# Altium PCB TestMod_SEAx.PcbDoc (part 1 of 3) (continued)
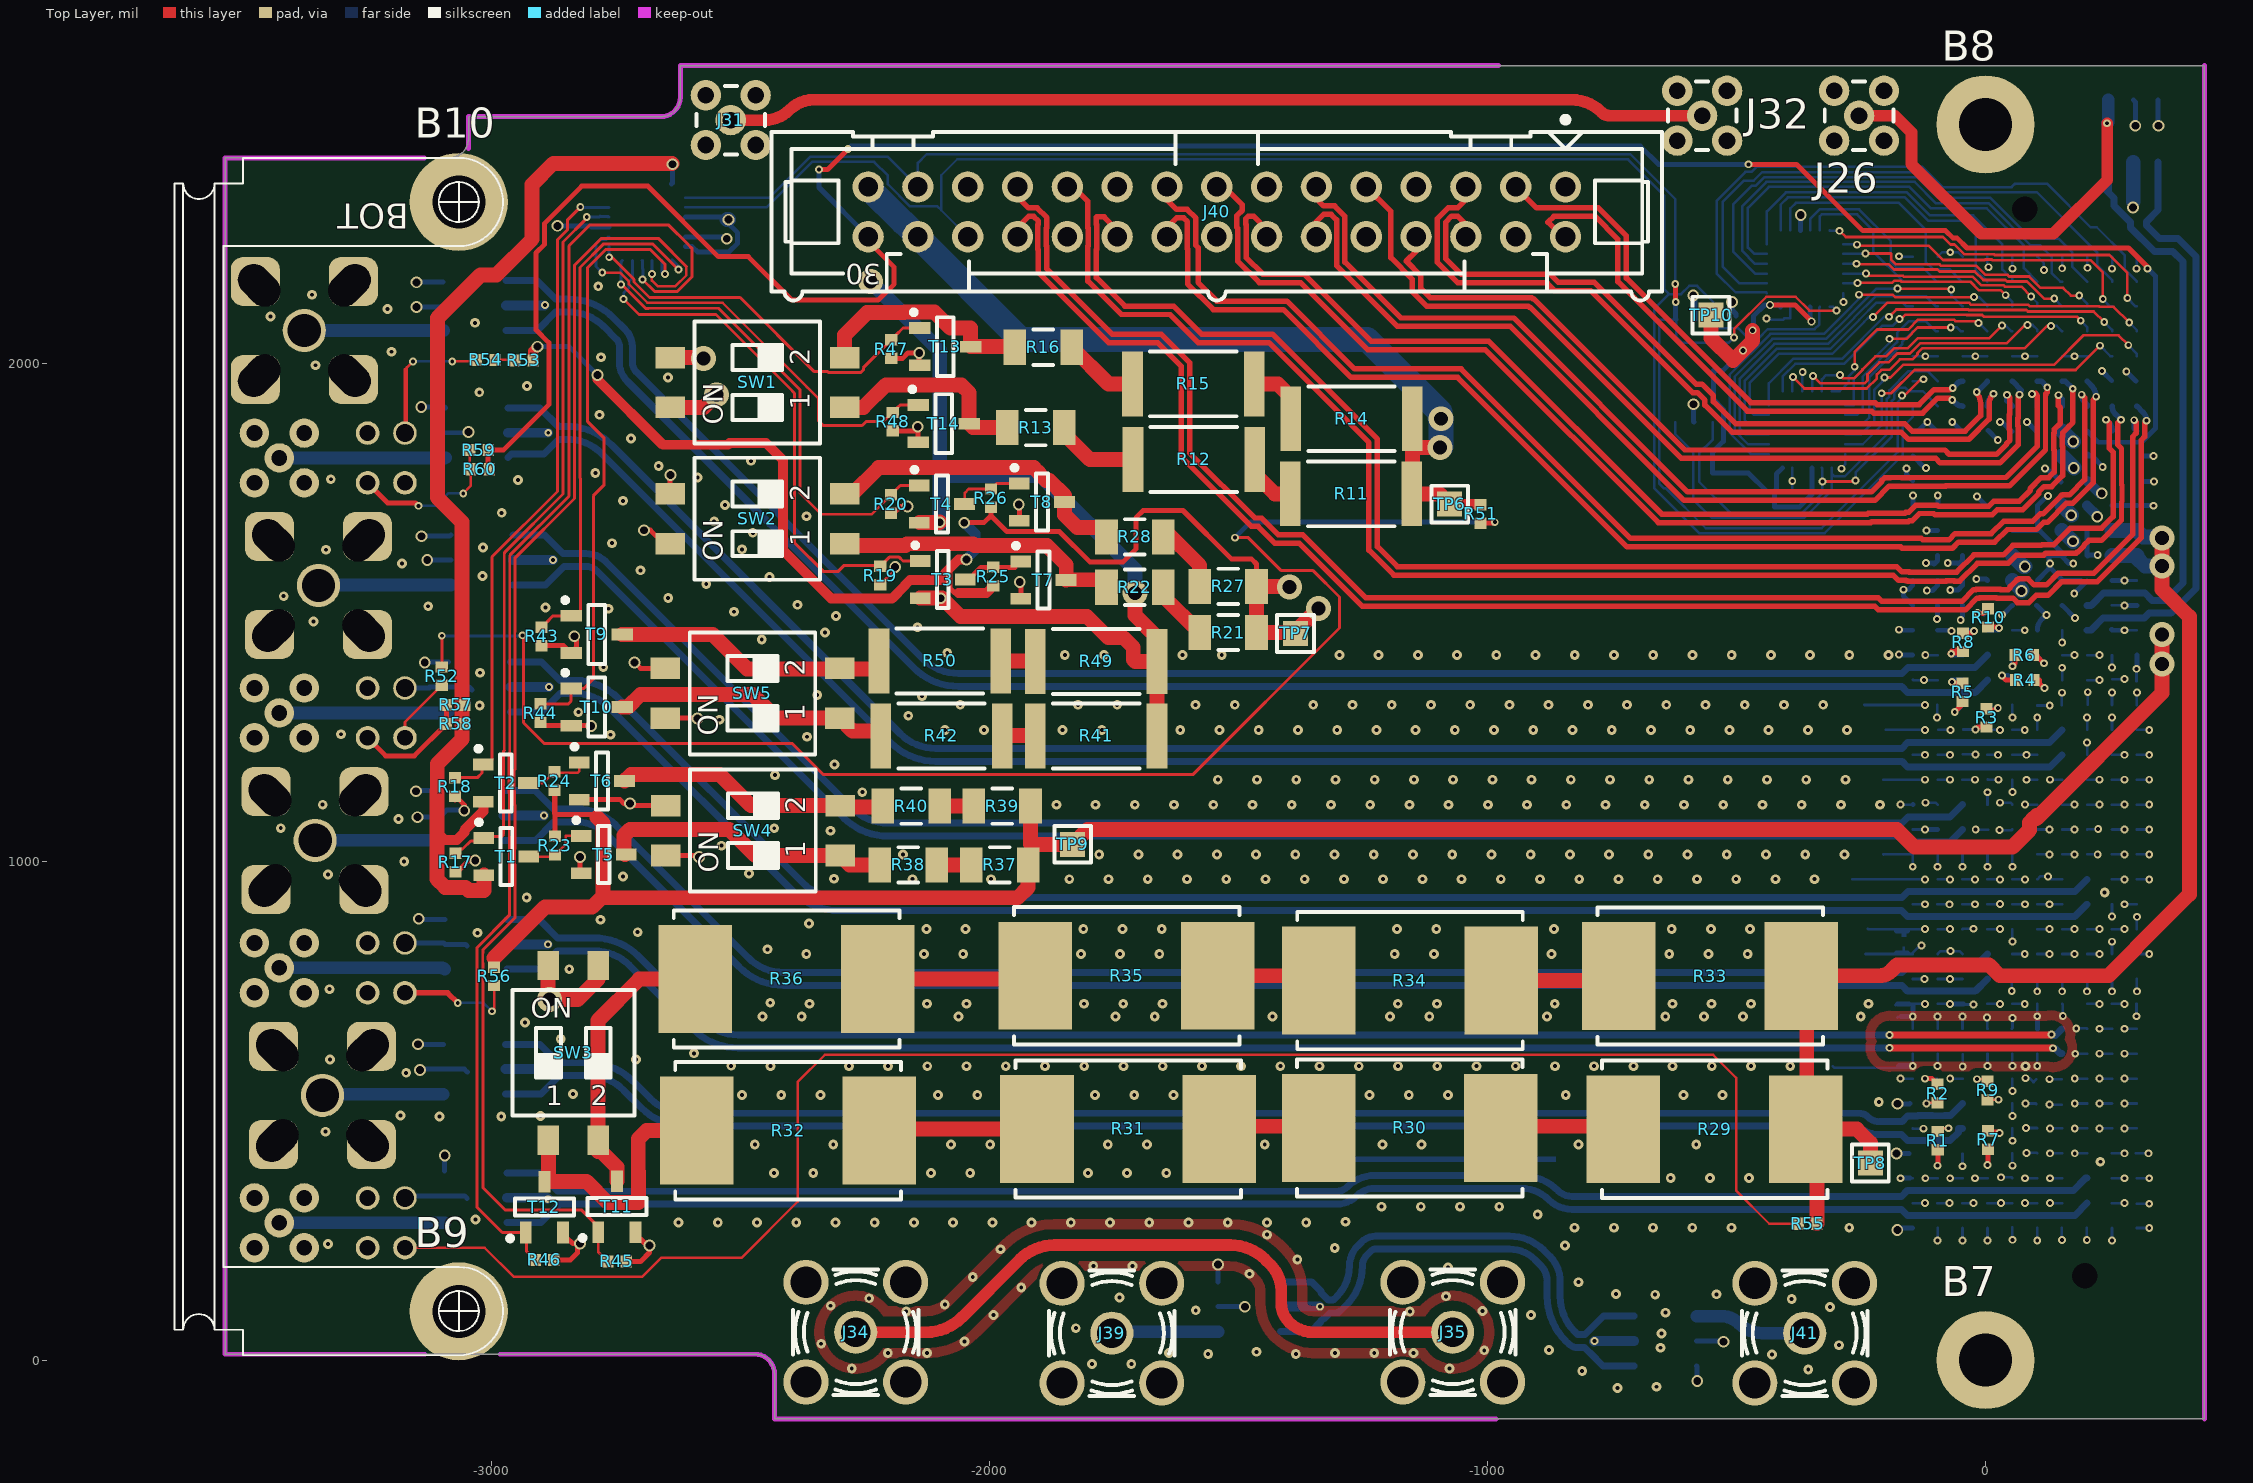
[diagram p0: Top Layer view]
## Classes and differential pairs
net class HPWR: N6V0A N12V0A P3V3 P6V0A P12V0A
net class Z50R: ADC0 ADC1 ADC2 ADC3 DAC0 DAC1 DAC2 DAC3 NetJ26_1 NetJ31_1 NetJ34_1 NetJ39_1 NetJ41_1
component class U_SEAx_connector: B7 B8 B9 B10 C4 C5 C6 C7 C8 C9 C10 C11 C12 C13 C14 C15 C16 C17 C18 C19 C20 C21 J22 R1 R2 R3 R4 R5 R6 R7 R8 R9 R10 R? TR1 TR2 TR3 TR4 TR5 TR6 TR7 TR8 TR11
component class TestMod_SEAx: C23 C24 C25 C44 C45 C46 C47 IC1 IC2 IC3 IC4 IC5 J26 J27 J28 J29 J30 J31 J32 J33 J34 J35 J36 J37 J38 J39 J40 J41 LD1 LD2 LD3 LD4 LD5 LD6 LD7 LD8 R11 R12 R13 R14 R15 R16 R17 R18 R19 R20 R21 R22 R23 R24 R25 R26 R27 R28 R29 R30 R31 R32 R33 R34 R35 R36 R37 R38 R39 R40 R41 R42 R43 R44 R45 R46 R47 R48 R49 R50 R51 R52 R53 R54 R55 R56 R57 R58 R59 R60 R? SW1 SW2 SW3 SW4 SW5 T1 T2 T3 T4 T5 T6 T7 T8 T9 T10 T11 T12 T13 T14 TP6 TP7 TP8 TP9 TP10 TR21 TR22
differential pair DAC3_OUT: +DAC3_OUT_P -DAC3_OUT_N
differential pair ADC3_IN: +ADC3_IN_P -ADC3_IN_N
differential pair DAC0_OUT: +DAC0_OUT_P -DAC0_OUT_N
differential pair ADC0_IN: +ADC0_IN_P -ADC0_IN_N
differential pair LO_IN: +LO_IN_P -LO_IN_N
differential pair LVDS7: +LVDS7_P -LVDS7_N
differential pair LVDS6: +LVDS6_P -LVDS6_N
differential pair LVDS5: +LVDS5_P -LVDS5_N
differential pair LVDS4: +LVDS4_P -LVDS4_N
differential pair LVDS3: +LVDS3_P -LVDS3_N
differential pair LVDS2: +LVDS2_P -LVDS2_N
differential pair LVDS1: +LVDS1_P -LVDS1_N
differential pair LVDS0: +LVDS0_P -LVDS0_N
differential pair TEST_SMA: +TEST_SMA_P -TEST_SMA_N
differential pair DAC3_OUT: +DAC2_OUT_P -DAC2_OUT_N
differential pair DAC2_OUT: +DAC1_OUT_P -DAC1_OUT_N
differential pair ADC3_IN: +ADC2_IN_P -ADC2_IN_N
differential pair ADC2_IN: +ADC1_IN_P -ADC1_IN_N

## Components (designator, comment, footprint, x,y, rotation, side; value= is the part's Value field where it differs from the comment)
B7 "Plated Hole" MTG270_500 0,0 r0 top
B8 "Plated Hole" MTG270_500 0,2480.31 r0 top
B9 "Plated Hole" MTG270_500 -3064.96,98 r0 top
B10 "Plated Hole" MTG270_500 -3064.96,2324.8 r0 top
C4 "0.5pF" CAPC1005X50N -2911,362.32 r270 bottom
C5 "0.5pF" CAPC1005X50N -2911,294 r90 bottom
C6 "0.5pF" CAPC1005X50N -2910,869 r270 bottom
C7 "0.5pF" CAPC1005X50N -2910,801 r90 bottom
C8 "0.5pF" CAPC1005X50N -2905,1385 r270 bottom
C9 "0.5pF" CAPC1005X50N -2905,1317 r90 bottom
C10 "0.5pF" CAPC1005X50N -2909,1896 r270 bottom
C11 "0.5pF" CAPC1005X50N -2910,1828 r90 bottom
C12 "0.5pF" CAPC1005X50N -2915,618 r270 bottom
C13 "0.5pF" CAPC1005X50N -2915,550 r90 bottom
C14 "0.5pF" CAPC1005X50N -2918,1127 r270 bottom
C15 "0.5pF" CAPC1005X50N -2918,1059 r90 bottom
C16 "0.5pF" CAPC1005X50N -2898,1639 r270 bottom
C17 "0.5pF" CAPC1005X50N -2898,1571 r90 bottom
C18 "0.5pF" CAPC1005X50N -2914,2151 r270 bottom
C19 "0.5pF" CAPC1005X50N -2914,2082.68 r90 bottom
C20 "0.5pF" CAPC1005X50N 330,2348 r180 bottom
C21 "0.5pF" CAPC1005X50N 262,2348 r0 bottom
C23 "0.5pF" CAPC1005X50N -761,4 r90 bottom
C24 "0.5pF" CAPC1005X50N -1360,74 r90 bottom
C25 "0.5pF" CAPC1005X50N -1360,142 r270 bottom
C44 "0.5pF" CAPC1005X50N -761,72 r270 bottom
C45 "100nF" CAPC1005X55N -483.27,2096.46 r0 bottom
C46 "100nF" CAPC1005X55N -406.5,1744.09 r180 bottom
C47 "100nF" CAPC1005X55N -2563.98,2272.64 r90 bottom
IC1 "24AA02E48T-I/OT" SOT95P280X145-5N -583.66,2037.4 r270 bottom
IC2 "TCA9539RTWR" QFN50P400X400X80-25N-S255 -2687.01,2284.45 r90 bottom
IC3 "TCA9539RTWR" QFN50P400X400X80-25N-S255 -358.27,1868.11 r0 bottom
IC4 "TCA9539RTWR" QFN50P400X400X80-25N-S255 -362.2,2190.94 r0 bottom
IC5 "24AA02E48T-I/OT" SOT95P280X145-5N -585.63,1831.69 r270 bottom
J22 "VITA 57" SAMTEC_ASP-134486-01 78.74,1240.16 r270 bottom locked
J26 "Coax_1Female_1Shield" SAMTEC_MMCX-J-P-H-ST-TH1 -254,2498.03 r0 top
J27 "SMA" "AMPHENOL_901-143_IN BOARD" -3338.58,531.5 r0 bottom
J28 "SMA" "AMPHENOL_901-143_IN BOARD" -3353.38,1043.31 r0 bottom
J29 "SMA" "AMPHENOL_901-143_IN BOARD" -3346.46,1555.12 r0 bottom
J30 "SMA" "AMPHENOL_901-143_IN BOARD" -3375.03,2066.93 r0 bottom
J31 "Coax_1Female_1Shield" SAMTEC_MMCX-J-P-H-ST-TH1 -2519,2489.17 r0 top
J32 "Coax_1Female_1Shield" SAMTEC_MMCX-J-P-H-ST-TH1 -569,2498.03 r0 top
J33 "Coax_1Female_1Shield" HUBER-SUHNER_85_MMCX-50-0-1/111_OE -3425.2,275.59 r180 bottom
J34 "SMA" TYCO_5-1814832-1 -2268,56.1 r0 top
J35 "SMA" TYCO_5-1814832-1 -1069.88,56.1 r0 top
J36 "Coax_1Female_1Shield" HUBER-SUHNER_85_MMCX-50-0-1/111_OE -3425.2,787.4 r180 bottom
J37 "Coax_1Female_1Shield" HUBER-SUHNER_85_MMCX-50-0-1/111_OE -3425.2,1299.21 r180 bottom
J38 "Coax_1Female_1Shield" HUBER-SUHNER_85_MMCX-50-0-1/111_OE -3425.2,1811.02 r180 bottom
J39 "SMA" TYCO_5-1814832-1 -1753.94,54.13 r0 top
J40 "=Familly" 3M_N2530-6002RB -1543.31,2305.12 r180 top
J41 "SMA" TYCO_5-1814832-1 -363.19,54.13 r0 top
LD1 "Green" LED_KINGBRIGHT_L-13GD -3248.03,1811.02 r0 bottom
LD2 "Red" LED_KINGBRIGHT_L-13ID -3248.03,1811.02 r0 bottom
LD3 "Red" LED_KINGBRIGHT_L-13ID -3248.03,275.59 r0 bottom
LD4 "Red" LED_KINGBRIGHT_L-13ID -3248.03,1299.21 r0 bottom
LD5 "Red" LED_KINGBRIGHT_L-13ID -3248.03,787.4 r0 bottom
LD6 "Green" LED_KINGBRIGHT_L-13GD -3248.03,275.59 r0 bottom
LD7 "Green" LED_KINGBRIGHT_L-13GD -3248.03,1299.21 r0 bottom
LD8 "Green" LED_KINGBRIGHT_L-13GD -3248.03,787.4 r0 bottom
R1 "49R9" RESC1005X40N -96,440.56 r90 top
R2 "49R9" RESC1005X40N -96.26,535 r270 top
R3 "49R9" RESC1005X40N 1.97,1289.37 r90 top
R4 "49R9" RESC1005X40N 78.74,1365.16 r180 top
R5 "49R9" RESC1005X40N -46.26,1340.55 r90 top
R6 "49R9" RESC1005X40N 77.76,1415.35 r180 top
R7 "49R9" RESC1005X40N 4.92,441.93 r90 top
R8 "49R9" RESC1005X40N -45.28,1440.94 r270 top
R9 "49R9" RESC1005X40N 3.94,541.34 r270 top
R10 "49R9" RESC1005X40N 4.92,1490.16 r270 top
R11 "56" RESC6331X70N -1273.62,1738.98 r180 top
R12 "56" RESC6331X70N -1589.57,1808.07 r180 top
R13 "8R2" RESC3216X65N -1906.5,1872.05 r180 top
R14 "56" RESC6331X70N -1272.64,1889.76 r180 top
R15 "56" RESC6331X70N -1590.55,1959.65 r180 top
R16 "8R2" RESC3216X65N -1891.73,2033.46 r180 top
R17 "10k" RESC1005X40N -3071.85,999.01 r270 top
R18 "10k" RESC1005X40N -3072.84,1150.59 r270 top
R19 "10k" RESC1005X40N -2219,1575 r270 top
R20 "10k" RESC1005X40N -2197.44,1718.5 r270 top
R21 "120" RESC3216X65N -1520.67,1460.63 r180 top
R22 "120" RESC3216X65N -1707.68,1551.39 r180 top
R23 "10k" RESC1005X40N -2872.05,1033 r90 top
R24 "10k" RESC1005X40N -2872.83,1162.4 r270 top
R25 "10k" RESC1005X40N -1992.13,1572.83 r270 top
R26 "10k" RESC1005X40N -1996.65,1730.31 r270 top
R27 "120" RESC3216X65N -1520.67,1553.15 r180 top
R28 "120" RESC3216X65N -1707.68,1652.56 r180 top
R29 "2" RESM11670X449N -544,463.58 r180 top
R30 "2" RESM11670X449N -1156,466 r180 top
R31 "2" RESM11670X449N -1721.17,464 r180 top
R32 "2" RESM11670X449N -2404,460.63 r180 top
R33 "2" RESM11670X449N -553,771 r180 top
R34 "2" RESM11670X449N -1155.51,761.81 r180 top
R35 "2" RESM11670X449N -1724.41,771.65 r180 top
R36 "2" RESM11670X449N -2407,765.21 r180 top
R37 "62" RESC3216X65N -1979.3,994.1 r180 top
R38 "62" RESC3216X65N -2162.4,994.09 r180 top
R39 "62" RESC3216X65N -1974.41,1112.2 r180 top
R40 "62" RESC3216X65N -2156.5,1112.2 r180 top
R41 "3R3" RESC6331X70N -1785.43,1252.95 r180 top
R42 "3R3" RESC6331X70N -2096,1252.95 r180 top
R43 "10k" RESC1005X40N -2898.62,1452.77 r270 top
R44 "10k" RESC1005X40N -2901,1299 r270 top
R45 "10k" RESC1005X40N -2747.58,198.08 r0 top
R46 "10k" RESC1005X40N -2893.05,201.03 r0 top
R47 "10k" RESC1005X40N -2196.85,2029.53 r270 top
R48 "10k" RESC1005X40N -2193.9,1883.86 r270 top
R49 "3R3" RESC6331X70N -1785.43,1402.56 r180 top
R50 "3R3" RESC6331X70N -2099.41,1403.54 r180 top
R51 "10k" RESC1005X40N -1013.78,1698.82 r270 top
R52 "10k" RESC1005X40N -3099,1373 r270 top
R53 "10k" RESC1005X40N -2934.06,2006.89 r180 top
R54 "10k" RESC1005X40N -3010.83,2007.87 r0 top
R55 "10k" RESC1005X40N -357.28,273.82 r0 top
R56 "10k" RESC1005X40N -2994.09,770.47 r90 top
R57 "10k" RESC1005X40N -3071.53,1315.43 r0 top
R58 "10k" RESC1005X40N -3071.53,1277.05 r0 top
R59 "10k" RESC1005X40N -3024.61,1826.77 r0 top
R60 "10k" RESC1005X40N -3022.64,1788.39 r0 top
SW1 "Switch" SW_OMRON_A6S-2102-H -2465.55,1962.6 r180 top
SW2 "Switch" SW_OMRON_A6S-2102-H -2465.55,1688.98 r180 top
SW3 "Switch" SW_OMRON_A6S-2102-H -2835,617 r90 top
SW4 "Switch" SW_OMRON_A6S-2102-H -2474.41,1062.99 r180 top
SW5 "Switch" SW_OMRON_A6S-2102-H -2475.39,1338.58 r180 top
T1 "IRLML6402PBF" SOT95P237X112-3N -2969.49,1010.83 r0 top
T2 "IRLML6402PBF" SOT95P237X112-3N -2970.47,1158.46 r0 top
T3 "IRLML6402PBF" SOT95P237X112-3N -2093.5,1566.93 r0 top
T4 "IRLML6402PBF" SOT95P237X112-3N -2095.08,1718.5 r0 top
T5 "IRLML6402PBF" SOT95P237X112-3N -2773.97,1015 r0 top
T6 "IRLML6402PBF" SOT95P237X112-3N -2777.56,1162.4 r0 top
T7 "IRLML6402PBF" SOT95P237X112-3N -1891.34,1565.94 r0 top
T8 "IRLML6402PBF" SOT95P237X112-3N -1894.29,1722.44 r0 top
T9 "DMN2020LSN-7" SOT95P285X140-3N -2788.39,1456.71 r0 top
T10 "DMN2020LSN-7" SOT95P285X140-3N -2788.39,1311.04 r0 top
T11 "DMN2020LSN-7" SOT95P285X140-3N -2747.58,308.32 r90 top
T12 "DMN2020LSN-7" SOT95P285X140-3N -2893.05,307.33 r90 top
T13 "DMN2020LSN-7" SOT95P285X140-3N -2088.58,2034.45 r0 top
T14 "DMN2020LSN-7" SOT95P285X140-3N -2091.54,1879.92 r0 top
TP6 "Test Point" TPS127 -1075.79,1718.5 r90 top
TP7 "Test Point" TPS127 -1385.26,1458.66 r90 top
TP8 "Test Point" TPS127 -231.3,395.67 r90 top
TP9 "Test Point" TPS127 -1832.68,1035.43 r90 top
TP10 "Test Point" TPS127 -551.18,2097.82 r90 top
TR1 "1:2" XFMR_MINI-CIRCUITS_DB1627 -3031,326 r270 bottom
TR2 "1:2" XFMR_MINI-CIRCUITS_DB1627 -3030.33,834.73 r270 bottom
TR3 "1:2" XFMR_MINI-CIRCUITS_DB1627 -3023.37,1351.27 r270 bottom
TR4 "1:2" XFMR_MINI-CIRCUITS_DB1627 -3029.07,1861.64 r270 bottom
TR5 "1:2" XFMR_MINI-CIRCUITS_DB1627 -3033.33,583.97 r270 bottom
TR6 "1:2" XFMR_MINI-CIRCUITS_DB1627 -3037.33,1093.45 r270 bottom
TR7 "1:2" XFMR_MINI-CIRCUITS_DB1627 -3018.33,1606.16 r270 bottom
TR8 "1:2" XFMR_MINI-CIRCUITS_DB1627 -3033,2117 r270 bottom
TR11 "1:2" XFMR_MINI-CIRCUITS_DB1627 296.41,2467.26 r180 bottom
TR21 "1:2" XFMR_MINI-CIRCUITS_DB1627 -1478.35,107.28 r270 bottom
TR22 "1:2" XFMR_MINI-CIRCUITS_DB1627 -642.72,38.39 r90 bottom

## Footprints (in the part's own frame and the unit in brackets; to place one, negate y for a bottom-side part, rotate by r counter-clockwise, add the part's x,y. Pads: shape width x height; smd on the part's side, far side on the other; paste and mask are expansions set on the pad)
3M_N2530-6002RB [mm] "30 Contacts - Straight .100\" x .100\" Low Profile Four-Wall Header"
  round 1.6 hole 1: 1(-17.78,-1.27) 2(-17.78,1.27) 3(-15.24,-1.27) 4(-15.24,1.27) 5(-12.7,-1.27) 6(-12.7,1.27) 7(-10.16,-1.27) 8(-10.16,1.27) 9(-7.62,-1.27) 10(-7.62,1.27) 11(-5.08,-1.27) 12(-5.08,1.27) 13(-2.54,-1.27) 14(-2.54,1.27) 15(0,-1.27) 16(0,1.27) 17(2.54,-1.27) 18(2.54,1.27) 19(5.08,-1.27) 20(5.08,1.27) 21(7.62,-1.27) 22(7.62,1.27) 23(10.16,-1.27) 24(10.16,1.27) 25(12.7,-1.27) 26(12.7,1.27) 27(15.24,-1.27) 28(15.24,1.27) 29(17.78,-1.27) 30(17.78,1.27)
  silkscreen extent -22.71,-4.85 22.71,4.52, body extent -22.71,-4.11 22.71,4.52, height 9.91
"AMPHENOL_901-143_IN BOARD" [mm] "50 Ohm Through Hole SMA 90 degrees PCB Jack - partially embedded"
  round 2.2 hole 1.7: 1(0,0)
  rrect50% 2.5x2.5 hole 1.6 slot 2.4 at 45 deg copper offset -0.2,-0.2: 2(-2.3,-2.3)
  rrect50% 2.5x2.5 hole 1.6 slot 2.4 at 135 deg copper offset -0.2,0.2: 2(-2.3,2.3)
  rrect50% 2.5x2.5 hole 1.6 slot 2.4 at 135 deg copper offset 0.2,-0.2: 2(2.3,-2.3)
  rrect50% 2.5x2.5 hole 1.6 slot 2.4 at 45 deg copper offset 0.2,0.2: 2(2.3,2.3)
  silkscreen extent -11.04,-4 3.5,4, body extent -13.68,-10.01 6.35,10.01, height 8.99
CAPC1005X50N [mm] "Chip Capacitor, Body 1.0x0.55mm, IPC Medium Density"
  rect 0.57x0.68 smd: 1(-0.49,0) 2(0.49,0)
  body extent -0.5,-0.27 0.5,0.28, height 0.5
CAPC1005X55N [mm] "Chip Capacitor, Body 1.0x0.55mm, IPC Medium Density"
  rect 0.62x0.62 smd: 1(-0.45,0) 2(0.45,0)
  body extent -0.52,-0.27 0.53,0.28, height 0.55
HUBER-SUHNER_85_MMCX-50-0-1/111_OE [mm] "MMCX 50 Ohm Right Angle PCB Jack"
  round 1.5 hole 0.8: 1(0,0) 2(-1.27,-1.27) 2(-1.27,1.27) 2(1.27,-1.27) 2(1.27,1.27)
  silkscreen extent -1.73,-1.74 4.82,1.74, body extent -1.73,-1.74 4.82,1.74, height 3.8
LED_KINGBRIGHT_L-13GD [mm] "Green 2mm LED, Pin spacing 2.54mm"
  round 1.2 hole 0.9: 1(1.905,-1.27)
  round 1.2 hole 0.8: 2(1.905,1.27)
  silkscreen extent -10,-2.4 2.3,2.4, body extent -10,-2.4 2.1,2.4, height 9.5
LED_KINGBRIGHT_L-13ID [mm] "Red 2mm LED, Pin spacing 2.54mm"
  round 1.2 hole 0.8: 1(0,-1.27) 2(0,1.27)
  silkscreen extent -10,-2.4 0.4,2.4, body extent -10,-2.4 0.2,2.4, height 7
MTG270_500 [mm] "Plated Through Hole: Hole Dia.=2.7mm Pad Dia.=5.0mm"
  round 5 hole 2.7: 1(0,0)
QFN50P400X400X80-25N-S255 [mm] "QFN, 0.50mm Pitch, Square; 6 Pin X 6 Pin, 4mm X 4mm Body (w/Thermal Tab 2.55 X 2.55 mm), IPC Medium Density"
  oval 0.9x0.3 smd: 1(-1.95,1.25) 2(-1.95,0.75) 3(-1.95,0.25) 4(-1.95,-0.25) 5(-1.95,-0.75) 6(-1.95,-1.25) 13(1.95,-1.25) 14(1.95,-0.75) 15(1.95,-0.25) 16(1.95,0.25) 17(1.95,0.75) 18(1.95,1.25)
  oval 0.3x0.9 smd: 7(-1.25,-1.95) 8(-0.75,-1.95) 9(-0.25,-1.95) 10(0.25,-1.95) 11(0.75,-1.95) 12(1.25,-1.95) 19(1.25,1.95) 20(0.75,1.95) 21(0.25,1.95) 22(-0.25,1.95) 23(-0.75,1.95) 24(-1.25,1.95)
  rect 2.55x2.55 smd: 25(0,0)
  silkscreen extent -3.12,-2 2,2, body extent -2.07,-2.07 2.08,2.08, height 0.8
RESC1005X40N [mm] "Chip Resistor, EIA 0402, Metric 1005, Body 1.0x0.5mm, IPC Medium Density"
  rect 0.58x0.62 smd: 1(-0.47,0) 2(0.47,0)
  body extent -0.52,-0.27 0.53,0.28, height 0.4
RESC3216X65N [mm] "Chip Resistor, EIA 1206, Metric 3216, Body 3.2x1.6mm, IPC Medium Density"
  rect 1.15x1.8 smd: 1(-1.45,0) 2(1.45,0)
  silkscreen extent -0.5,-0.9 0.5,0.9, body extent -1.67,-0.87 1.68,0.88, height 0.65
RESC6331X70N [mm] "Chip Resistor, EIA 2512, Metric 6331, 2-Leads, Body 6.3x3.1mm, IPC Medium Density"
  rect 1.05x3.3 smd: 1(-3.1,0) 2(3.1,0)
  silkscreen extent -2.2,-1.65 2.2,1.65, body extent -3.25,-1.65 3.25,1.65, height 0.7
RESM11670X449N [mm] "Resistor, Molded Body; 11.56mm L X 6.98mm W X 4.49mm H, IPC Medium Density"
  rect 3.75x5.5 smd: 1(-4.65,0) 2(4.65,0)
  silkscreen extent -5.75,-3.5 5.75,3.5, body extent -6.19,-3.55 6.19,3.55, height 4.49
SAMTEC_ASP-134486-01 [mm] "Connector VITA 57, 400 Female contacts in 10 row abcdefghj"
  round 0.5 hole 1.3 unplated mask+0.4: 1(-27.19,0) 2(27.19,-3.05)
  round 0.64 smd paste+0.125: a1(24.765,-5.715) a2(23.495,-5.715) a3(22.225,-5.715) a4(20.955,-5.715) a5(19.685,-5.715) a6(18.415,-5.715) a7(17.145,-5.715) a8(15.875,-5.715) a9(14.605,-5.715) a10(13.335,-5.715) a11(12.065,-5.715) a12(10.795,-5.715) a13(9.525,-5.715) a14(8.255,-5.715) a15(6.985,-5.715) a16(5.715,-5.715) a17(4.445,-5.715) a18(3.175,-5.715) a19(1.905,-5.715) a20(0.635,-5.715) a21(-0.635,-5.715) a22(-1.905,-5.715) a23(-3.175,-5.715) a24(-4.445,-5.715) a25(-5.715,-5.715) a26(-6.985,-5.715) a27(-8.255,-5.715) a28(-9.525,-5.715) a29(-10.795,-5.715) a30(-12.065,-5.715) a31(-13.335,-5.715) a32(-14.605,-5.715) a33(-15.875,-5.715) a34(-17.145,-5.715) a35(-18.415,-5.715) a36(-19.685,-5.715) a37(-20.955,-5.715) a38(-22.225,-5.715) a39(-23.495,-5.715) a40(-24.765,-5.715) b1(24.765,-4.445) b2(23.495,-4.445) b3(22.225,-4.445) b4(20.955,-4.445) b5(19.685,-4.445) b6(18.415,-4.445) b7(17.145,-4.445) b8(15.875,-4.445) b9(14.605,-4.445) b10(13.335,-4.445) b11(12.065,-4.445) b12(10.795,-4.445) b13(9.525,-4.445) b14(8.255,-4.445) b15(6.985,-4.445) b16(5.715,-4.445) b17(4.445,-4.445) b18(3.175,-4.445) b19(1.905,-4.445) b20(0.635,-4.445) b21(-0.635,-4.445) b22(-1.905,-4.445) b23(-3.175,-4.445) b24(-4.445,-4.445) b25(-5.715,-4.445) b26(-6.985,-4.445) b27(-8.255,-4.445) b28(-9.525,-4.445) b29(-10.795,-4.445) b30(-12.065,-4.445) b31(-13.335,-4.445) b32(-14.605,-4.445) b33(-15.875,-4.445) b34(-17.145,-4.445) b35(-18.415,-4.445) b36(-19.685,-4.445) b37(-20.955,-4.445) b38(-22.225,-4.445) b39(-23.495,-4.445) b40(-24.765,-4.445) c1(24.765,-3.175) c2(23.495,-3.175) c3(22.225,-3.175) c4(20.955,-3.175) c5(19.685,-3.175) c6(18.415,-3.175) c7(17.145,-3.175) c8(15.875,-3.175) c9(14.605,-3.175) c10(13.335,-3.175) c11(12.065,-3.175) c12(10.795,-3.175) c13(9.525,-3.175) c14(8.255,-3.175) c15(6.985,-3.175) c16(5.715,-3.175) c17(4.445,-3.175) c18(3.175,-3.175) c19(1.905,-3.175) c20(0.635,-3.175) c21(-0.635,-3.175) c22(-1.905,-3.175) c23(-3.175,-3.175) c24(-4.445,-3.175) c25(-5.715,-3.175) c26(-6.985,-3.175) c27(-8.255,-3.175) c28(-9.525,-3.175) c29(-10.795,-3.175) c30(-12.065,-3.175) c31(-13.335,-3.175) c32(-14.605,-3.175) c33(-15.875,-3.175) c34(-17.145,-3.175) c35(-18.415,-3.175) c36(-19.685,-3.175) c37(-20.955,-3.175) c38(-22.225,-3.175) c39(-23.495,-3.175) c40(-24.765,-3.175) d1(24.765,-1.905) d2(23.495,-1.905) d3(22.225,-1.905) d4(20.955,-1.905) d5(19.685,-1.905) d6(18.415,-1.905) d7(17.145,-1.905) d8(15.875,-1.905) d9(14.605,-1.905) d10(13.335,-1.905) d11(12.065,-1.905) d12(10.795,-1.905) d13(9.525,-1.905) d14(8.255,-1.905) d15(6.985,-1.905) d16(5.715,-1.905) d17(4.445,-1.905) d18(3.175,-1.905) d19(1.905,-1.905) d20(0.635,-1.905) d21(-0.635,-1.905) d22(-1.905,-1.905) d23(-3.175,-1.905) d24(-4.445,-1.905) d25(-5.715,-1.905) d26(-6.985,-1.905) d27(-8.255,-1.905) d28(-9.525,-1.905) d29(-10.795,-1.905) d30(-12.065,-1.905) d31(-13.335,-1.905) d32(-14.605,-1.905) d33(-15.875,-1.905) d34(-17.145,-1.905) d35(-18.415,-1.905) d36(-19.685,-1.905) d37(-20.955,-1.905) d38(-22.225,-1.905) d39(-23.495,-1.905) d40(-24.765,-1.905) e1(24.765,-0.635) e2(23.495,-0.635) e3(22.225,-0.635) e4(20.955,-0.635) e5(19.685,-0.635) e6(18.415,-0.635) e7(17.145,-0.635) e8(15.875,-0.635) e9(14.605,-0.635) e10(13.335,-0.635) e11(12.065,-0.635) e12(10.795,-0.635) e13(9.525,-0.635) e14(8.255,-0.635) e15(6.985,-0.635) e16(5.715,-0.635) e17(4.445,-0.635) e18(3.175,-0.635) e19(1.905,-0.635) e20(0.635,-0.635) e21(-0.635,-0.635) e22(-1.905,-0.635) e23(-3.175,-0.635) e24(-4.445,-0.635) e25(-5.715,-0.635) e26(-6.985,-0.635) e27(-8.255,-0.635) e28(-9.525,-0.635) e29(-10.795,-0.635) e30(-12.065,-0.635) e31(-13.335,-0.635) e32(-14.605,-0.635) e33(-15.875,-0.635) e34(-17.145,-0.635) e35(-18.415,-0.635) e36(-19.685,-0.635) e37(-20.955,-0.635) e38(-22.225,-0.635) e39(-23.495,-0.635) e40(-24.765,-0.635) f1(24.765,0.635) f2(23.495,0.635) f3(22.225,0.635) f4(20.955,0.635) f5(19.685,0.635) f6(18.415,0.635) f7(17.145,0.635) f8(15.875,0.635) f9(14.605,0.635) f10(13.335,0.635) f11(12.065,0.635) f12(10.795,0.635) f13(9.525,0.635) f14(8.255,0.635) f15(6.985,0.635) f16(5.715,0.635) f17(4.445,0.635) f18(3.175,0.635) f19(1.905,0.635) f20(0.635,0.635) f21(-0.635,0.635) f22(-1.905,0.635) f23(-3.175,0.635) f24(-4.445,0.635) f25(-5.715,0.635) f26(-6.985,0.635) f27(-8.255,0.635) f28(-9.525,0.635) f29(-10.795,0.635) f30(-12.065,0.635) f31(-13.335,0.635) f32(-14.605,0.635) f33(-15.875,0.635) f34(-17.145,0.635) f35(-18.415,0.635) f36(-19.685,0.635) f37(-20.955,0.635) f38(-22.225,0.635) f39(-23.495,0.635) f40(-24.765,0.635) g1(24.765,1.905) g2(23.495,1.905) g3(22.225,1.905) g4(20.955,1.905) g5(19.685,1.905) g6(18.415,1.905) g7(17.145,1.905) g8(15.875,1.905) g9(14.605,1.905) g10(13.335,1.905) g11(12.065,1.905) g12(10.795,1.905) g13(9.525,1.905) g14(8.255,1.905) g15(6.985,1.905) g16(5.715,1.905) g17(4.445,1.905) g18(3.175,1.905) g19(1.905,1.905) g20(0.635,1.905) g21(-0.635,1.905) g22(-1.905,1.905) g23(-3.175,1.905) g24(-4.445,1.905) g25(-5.715,1.905) g26(-6.985,1.905) g27(-8.255,1.905) g28(-9.525,1.905) g29(-10.795,1.905) g30(-12.065,1.905) g31(-13.335,1.905) g32(-14.605,1.905) g33(-15.875,1.905) g34(-17.145,1.905) g35(-18.415,1.905) g36(-19.685,1.905) g37(-20.955,1.905) g38(-22.225,1.905) g39(-23.495,1.905) g40(-24.765,1.905) h1(24.765,3.175) h2(23.495,3.175) h3(22.225,3.175) h4(20.955,3.175) h5(19.685,3.175) h6(18.415,3.175) h7(17.145,3.175) h8(15.875,3.175) h9(14.605,3.175) h10(13.335,3.175) h11(12.065,3.175) h12(10.795,3.175) h13(9.525,3.175) h14(8.255,3.175) h15(6.985,3.175) h16(5.715,3.175) h17(4.445,3.175) h18(3.175,3.175) h19(1.905,3.175) h20(0.635,3.175) h21(-0.635,3.175) h22(-1.905,3.175) h23(-3.175,3.175) h24(-4.445,3.175) h25(-5.715,3.175) h26(-6.985,3.175) h27(-8.255,3.175) h28(-9.525,3.175) h29(-10.795,3.175) h30(-12.065,3.175) h31(-13.335,3.175) h32(-14.605,3.175) h33(-15.875,3.175) h34(-17.145,3.175) h35(-18.415,3.175) h36(-19.685,3.175) h37(-20.955,3.175) h38(-22.225,3.175) h39(-23.495,3.175) h40(-24.765,3.175) j1(24.765,4.445) j2(23.495,4.445) j3(22.225,4.445) j4(20.955,4.445) j5(19.685,4.445) j6(18.415,4.445) j7(17.145,4.445) j8(15.875,4.445) j9(14.605,4.445) j10(13.335,4.445) j11(12.065,4.445) j12(10.795,4.445) j13(9.525,4.445) j14(8.255,4.445) j15(6.985,4.445) j16(5.715,4.445) j17(4.445,4.445) j18(3.175,4.445) j19(1.905,4.445) j20(0.635,4.445) j21(-0.635,4.445) j22(-1.905,4.445) j23(-3.175,4.445) j24(-4.445,4.445) j25(-5.715,4.445) j26(-6.985,4.445) j27(-8.255,4.445) j28(-9.525,4.445) j29(-10.795,4.445) j30(-12.065,4.445) j31(-13.335,4.445) j32(-14.605,4.445) j33(-15.875,4.445) j34(-17.145,4.445) j35(-18.415,4.445) j36(-19.685,4.445) j37(-20.955,4.445) j38(-22.225,4.445) j39(-23.495,4.445) j40(-24.765,4.445) k1(24.765,5.715) k2(23.495,5.715) k3(22.225,5.715) k4(20.955,5.715) k5(19.685,5.715) k6(18.415,5.715) k7(17.145,5.715) k8(15.875,5.715) k9(14.605,5.715) k10(13.335,5.715) k11(12.065,5.715) k12(10.795,5.715) k13(9.525,5.715) k14(8.255,5.715) k15(6.985,5.715) k16(5.715,5.715) k17(4.445,5.715) k18(3.175,5.715) k19(1.905,5.715) k20(0.635,5.715) k21(-0.635,5.715) k22(-1.905,5.715) k23(-3.175,5.715) k24(-4.445,5.715) k25(-5.715,5.715) k26(-6.985,5.715) k27(-8.255,5.715) k28(-9.525,5.715) k29(-10.795,5.715) k30(-12.065,5.715) k31(-13.335,5.715) k32(-14.605,5.715) k33(-15.875,5.715) k34(-17.145,5.715) k35(-18.415,5.715) k36(-19.685,5.715) k37(-20.955,5.715) k38(-22.225,5.715) k39(-23.495,5.715) k40(-24.765,5.715)
  silkscreen extent -28.73,-6.62 28.73,6.62, body extent -28.73,-6.62 28.73,6.62, height 6.55
SAMTEC_MMCX-J-P-H-ST-TH1 [mm] "Straight Through-hole 50 Ohm Micro Mini RF Jack, MMCX Serie"
  round 1.55 hole 0.85: 1(0,0) 2(-1.27,-1.27) 2(-1.27,1.27) 2(1.27,-1.27) 2(1.27,1.27)
  silkscreen extent -1.75,-1.75 1.75,1.75, body extent -1.75,-1.75 1.75,1.75, height 4.35
SOT95P237X112-3N [mm] "SOT, 0.95mm, pitch; 3 pin,1.30mm W X 2.92mm L X 1.12mm H body, IPC Medium Density"
  rect 1.05x0.6 smd: 1(-1.15,0.95) 2(-1.15,-0.95) 3(1.15,0)
  silkscreen extent -1.52,-1.45 0.3,1.87, body extent -1.25,-1.5 1.25,1.5, height 1.1
SOT95P280X145-5N [mm] "SOT, 0.95mm pitch; 5 pin, 1.60mm W X 2.90mm L X 1.45mm H body, IPC Medium Density"
  rect 1.1x0.6 smd: 1(-1.3,0.95) 2(-1.3,0) 3(-1.3,-0.95) 4(1.3,-0.95) 5(1.3,0.95)
  silkscreen extent -1.72,-1.45 0.43,1.87, body extent -1.4,-1.5 1.4,1.5, height 1.45
SOT95P285X140-3N [mm] "SOT23, 0.95mm Pitch; 3 Pin, 1.6mm W X 3mm L X 1.4mm H Body, IPC Medium Density"
  rect 1.1x0.6 smd: 1(-1.3,0.95) 2(-1.3,-0.95) 3(1.3,0)
  silkscreen extent -1.72,-1.5 0.43,1.87, body extent -1.4,-1.5 1.4,1.5, height 1.4
SW_OMRON_A6S-2102-H [mm] "Pitch 2.54mm, Body 6.2x6.4mm, 2 Ways SPST Surface-Mounting DIP Switch, OMRON A6S-H"
  rect 1.5x1.1 smd: 1(-4.45,1.27) 2(-4.45,-1.27) 3(4.45,-1.27) 4(4.45,1.27)
  silkscreen extent -3.2,-3.11 3.2,3.11, body extent -4.9,-3.01 4.9,3.01, height 3.97
TPS127 [mil] "1.27 x  1.27mm SMD Test Point Area"
  rect 50x50 smd paste-50: 1(0,0)
  silkscreen extent -37,-37 37,37
TYCO_5-1814832-1 [mm] "50 Ohm SMA Straight PCB Die Socket"
  round 2.2 hole 1.5: 1(0,0)
  round 2.3 hole 1.6: 2(-2.54,-2.54) 2(-2.54,2.54) 2(2.54,-2.54) 2(2.54,2.54)
  silkscreen extent -3.2,-3.2 3.2,3.2, body extent -3.2,-3.2 3.2,3.2, height 9.5
XFMR_MINI-CIRCUITS_DB1627 [mm] "MINI-CIRCUITS RF Transformer, Case DB1627 - Body 4.06X3.81mm"
  rect 0.76x1.65 smd: 1(-1.27,1.59) 2(0,1.59) 3(1.27,1.59) 4(1.27,-1.59) 5(0,-1.59) 6(-1.27,-1.59)
  silkscreen extent -2.3,-0.37 1.91,1.72, body extent -1.9,-2.03 1.91,2.03, height 4.06

## Part data
B7 B8 B9 B10: library part PLATED_HOLE2.7_PAD5.0, "Single Terminal Socket", Author="CERN DEM JMW", ComponentHeight=0mm, Component Type="Standard (No BOM)", CreateDate=27.09.2011, Family="Plated Hole", HelpURL=Undefined, LatestRevisionDate=27.09.2011, Mounted=No, PackageDescription="Plated Through Hole: Hole Dia.=2.7mm Pad Dia.=5.0mm", Part Description="Plated Through Hole: Hole Dia.=2.7mm Pad Dia.=5.0mm", Part Number=PLATED_HOLE2.7_PAD5.0, Pin Count=1, Sense=No, SMD=No, Socket=No, Status=None
C4 C5 C6 C7 C8 C9 C10 C11 C12 C13 C14 C15 C16 C17 C18 C19 C20 C21 C23 C24 C25 C44: library part CC0402_0.5PF_25V_0.05PF_AVX_04023J0R5ABSTR, "Non-polarised capacitor", Case=0402, Manufacturer=AVX, Manufacturer Part Number=04023J0R5ABSTR, Tolerance=±0.05pF, Voltage=25V, Author="CERN DEM JLC", ComponentHeight=0.5mm, Component Type=Standard, CreateDate=22.02.2017, HelpURL=\\cern.ch\dfs\Applications\Altium\Datasheets\CC0402_AVX_ACCU-P.pdf, LatestRevisionDate=22.02.2017, Mounted=Yes, Part Description="Thin-Film Chip Capacitors for RF Signal and Power Applications, Accu-P Series", Part Number=CC0402_0.5PF_25V_0.05PF_AVX_04023J0R5ABSTR, Pin Count=2, Sense=No, SMD=Yes, Socket=No, Status=None
C45 C46 C47: library part CC0402_100NF_16V_10%_X5R, "Non-polarised capacitor", Case=0402, Manufacturer=GENERIC, Manufacturer1 ComponentHeight=0.55mm, Manufacturer1 Example=MURATA, Manufacturer1 Part Number=GRM155R61C104KA88D, Tolerance=±10%, Voltage=16V, Author="CERN DEM JLC", Component Type=Standard, CreateDate=10.12.2013, HelpURL=\\cern.ch\dfs\Applications\Altium\Datasheets\CC0402_X5R_MURATA_GRM.pdf, LatestRevisionDate=10.12.2013, Manufacturer Part Number=CC0402_100NF_16V_10%_X5R, Mounted=Yes, Part Description="SMD Multilayer Chip Ceramic Capacitor", Part Number=CC0402_100NF_16V_10%_X5R, Pin Count=2, Sense=No, SMD=Yes, Socket=No, Status=None, TC=X5R
IC1 IC5: "1.7V-5.5V, 2K I2C Serial EEPROM With EUI-48 Node Identity", Case=SOT23-5, Manufacturer="MICROCHIP TECHNOLOGY", Author="CERN DEM MR", Bonding=No, ComponentHeight=1.45mm, Component Type=Standard, CreateDate=31.03.2016, Device=24AA02E48T-I/OT, HelpURL=\\cern.ch\dfs\Applications\Altium\Datasheets\24AA02E48T-I-OT.pdf, LatestRevisionDate=31.03.2016, Manufacturer Part Number=24AA02E48T-I/OT, Mounted=Yes, PackageDescription="SOT, 0.95mm pitch; 5 pin, 1.60mm W X 2.90mm L X 1.45mm H body, IPC Medium Density", Part Description="1.7V-5.5V, 2K I2C Serial EEPROM With EUI-48 Node Identity", Part Number=24AA02E48T-I/OT, Pin Count=5, PressFit=No, Sense=No, SMD=Yes, Socket=No
IC2 IC3 IC4: "Low-Voltage 16-Bit I2C and SMBus I/O Expander", Case=QFN24, Manufacturer="TEXAS INSTRUMENTS", Author="CERN DEM MR", Bonding=No, ComponentHeight=0.8mm, Component Type=Standard, CreateDate=01.12.2015, Device=TCA9539RTWR, HelpURL=\\cern.ch\dfs\Applications\Altium\Datasheets\TCA9539RTWR.pdf, LatestRevisionDate=01.12.2015, Manufacturer Part Number=TCA9539RTWR, Mounted=Yes, PackageDescription="QFN, 0.50mm Pitch, Square; 24 Pin, 4.00mm X 4.00mm X 0.80mm H Body (w/Thermal Tab 2.55 X 2.55 mm), IPC Medium Density", Part Description="Low Voltage 16-Bit I2C and SMBus Low-Power I/O Expander With Interrupt Output, Reset Pin, Configuration Registers", Part Number=TCA9539RTWR, Pin Count=25, PressFit=No, Sense=No, SMD=Yes, Socket=No
J22: library part SAMTEC_ASP-134486-01, "Connector VITA 57, 400 Female contacts in 10 row abcdefghj", Manufacturer=SAMTEC, Manufacturer Part Number=ASP-134486-01, Author="CERN DEM JLC", ComponentHeight=6.55mm, Component Type=Standard, CreateDate=30.04.2009, Family="VITA 57", HelpURL=\\cern.ch\dfs\Applications\Altium\Datasheets\SAMTEC_ASP-134486-01.pdf, LatestRevisionDate=17.08.2009, Mounted=Yes, Part Description="400 contacts (10 rows abcdefghj) Surface Mount Female Connector, VITA 57 (CC-HPC-10)", Part Number=SAMTEC_ASP-134486-01, Pin Count=400, PressFit=No, Sense=No, SMD=Yes, Socket=No, Status=None
J26 J31 J32: library part SAMTEC_MMCX-J-P-H-ST-TH1, Manufacturer=SAMTEC, Manufacturer Part Number=MMCX-J-P-H-ST-TH1, Author="CERN DEM JLC", ComponentHeight=4.35mm, Component Type=Standard, CreateDate=05.12.2012, HelpURL=\\cern.ch\dfs\Applications\Altium\Datasheets\SAMTEC_MMCX-J-P-H-ST-TH1.pdf, LatestRevisionDate=05.12.2012, Mounted=Yes, Part Description="Straight Through-hole 50 Ohm Micro Mini RF Jack, MMCX Series", Part Number=SAMTEC_MMCX-J-P-H-ST-TH1, Pin Count=2, PressFit=No, Sense=No, SMD=No, Socket=No, Status=None
J27 J28 J29 J30: "AMPHENOL_901-143", Manufacturer=AMPHENOL, Manufacturer Part Number=901-143, Author="LNLS DIG GBMB", ComponentHeight=10.0mm, Component Type=Standard, CreateDate=31/05/2016, Family=SMA, LatestRevisionDate=02/03/2017, Mounted=Yes, Part Description="50 Ohm Through Hole SMA 90 degrees PCB Jack", Part Number=AMPHENOL_901-143, Pin Count=5, PressFit=No, Sense=No, SMD=No, Socket=No, Status=None
J33 J36 J37 J38: library part HUBER-SUHNER_85_MMCX-50-0-1/111_OE, Manufacturer=HUBER+SUHNER, Manufacturer Part Number=85_MMCX-50-0-1/111_OE, Author="CERN DEM JLC", ComponentHeight=9.6mm, Component Type=Standard, CreateDate=06.11.2014, Family=MMCX, HelpURL=\\cern.ch\dfs\Applications\Altium\Datasheets\HUBER-SUHNER_85_MMCX-50-0-1-111_OE.pdf, LatestRevisionDate=06.11.2014, Mounted=Yes, Part Description="MMCX 50 Ohms Right Angle PCB Jack", Part Number=HUBER-SUHNER_85_MMCX-50-0-1/111_OE, Pin Count=2, PressFit=No, Sense=No, SMD=No, Socket=No, Status=None
J34 J35 J39 J41: library part TYCO_5-1814832-1, Manufacturer="TYCO ELECTRONICS", Manufacturer Part Number=5-1814832-1, Author="CERN DEM JLC", ComponentHeight=13.5mm, Component Type=Standard, CreateDate=17.11.2009, Family=SMA, HelpURL=\\cern.ch\dfs\Applications\Altium\Datasheets\TYCO_5-1814832-1.pdf, LatestRevisionDate=17.11.2009, Mounted=Yes, Part Description="50 Ohms SMA Straight PCB Die Socket", Part Number=TYCO_5-1814832-1, Pin Count=2, PressFit=No, Sense=No, SMD=No, Socket=No, Status=None
J40: library part 3M_N2530-6002RB, "Connector 30 Male", Manufacturer=3M, Manufacturer Part Number=N2530-6002RB, Author="CERN DEM JLC", ComponentHeight=10.03mm, Component Type=Standard, CreateDate=11.02.2009, Family="Header 30", HelpURL=\\cern.ch\dfs\Applications\Altium\Datasheets\3M_N2530-6002RB.pdf, LatestRevisionDate=11.08.2009, Mounted=Yes, Part Description="30 Contacts - Straight .100'' x .100'' Low Profile Four-Wall Header, 2500 Series", Part Number=3M_N2530-6002RB, Pin Count=30, PressFit=No, Sense=No, SMD=No, Socket=No, Status=None
LD1 LD6 LD7 LD8: "LED Green 2mm", Manufacturer=KINGBRIGHT, Manufacturer Part Number=L-13GD, Part Number=LED_KINGBRIGHT_L-13GD, Author=GK, Bonding=No, Color=Green, ComponentHeight=0.65mm, Component Type=Standard, CreateDate=03.07.2017, HelpURL=\\cern.ch\dfs\Applications\Altium\Datasheets\LED_KINGBRIGHT_KPH-1608SURCK.pdf, LatestRevisionDate=03.07.2017, Mounted=Yes, PackageDescription="2mm THT LED", Part Description="Green LED, 2mm round , RA", Pin Count=2, PressFit=No, Sense=No, SMD=No, Socket=No
LD2 LD3 LD4 LD5: "LED Red 2mm", Manufacturer=KINGBRIGHT, Manufacturer Part Number=L-13ID, Part Number=LED_KINGBRIGHT_L-13ID, Author=GK, Bonding=No, Color=Red, ComponentHeight=0.65mm, Component Type=Standard, CreateDate=03.07.2017, HelpURL=\\cern.ch\dfs\Applications\Altium\Datasheets\LED_KINGBRIGHT_KPH-1608SURCK.pdf, LatestRevisionDate=03.07.2017, Mounted=Yes, PackageDescription="2mm THT LED", Part Description="Red LED, 2mm round , RA", Pin Count=2, PressFit=No, Sense=No, SMD=No, Socket=No
R1 R2 R3 R4 R5 R6 R7 R8 R9 R10: library part R0402_49R9_1%_0.0625W_100PPM, "Resistor - 1%", Case=0402, Manufacturer=GENERIC, Manufacturer1 ComponentHeight=0.4mm, Manufacturer1 Example="YAGEO PHYCOMP", Manufacturer1 Part Number="232270674999L or RC0402FR-0749R9L", Power=0.0625W, Tolerance=±1%, Author="CERN DEM JLC", Component Type=Standard, CreateDate=24.10.2012, HelpURL=\\cern.ch\dfs\Applications\Altium\Datasheets\R0402_Phycomp_RC0402.pdf, LatestRevisionDate=24.10.2012, Manufacturer Part Number=R0402_49R9_1%_0.0625W_100PPM, Mounted=Yes, Part Description="General Purpose Thick Film Chip Resistor", Part Number=R0402_49R9_1%_0.0625W_100PPM, Pin Count=2, PressFit=No, Sense=No, SMD=Yes, Socket=No, Status="Not Recommended", TC=±100ppm/°C
R11 R12 R14 R15: library part R2512_56R_5%_1W_200PPM, "Resistor - 5%", Case=2512, Manufacturer=GENERIC, Manufacturer1 ComponentHeight=0.7mm, Manufacturer1 Example="TYCO ELECTRONICS", Manufacturer1 Part Number=352056RJT, Power=1W, Tolerance=±5%, Author="CERN DEM JLC", Component Type=Standard, CreateDate=21.07.2010, HelpURL=\\cern.ch\dfs\Applications\Altium\Datasheets\R2512_TYCO_3520.pdf, LatestRevisionDate=21.07.2010, Manufacturer Part Number=R2512_56R_5%_1W_200PPM, Mounted=Yes, Part Description="Surface Mount Power Resistor", Part Number=R2512_56R_5%_1W_200PPM, Pin Count=2, Sense=No, SMD=Yes, Socket=No, Status=None, TC=±200ppm/°C
R13 R16: library part R1206_8R2_1%_0.25W_200PPM, "Resistor - 1%", Case=1206, Manufacturer=GENERIC, Manufacturer1 ComponentHeight=0.65mm, Manufacturer1 Example=PHYCOMP, Manufacturer1 Part Number=232272468208, Power=0.25W, Tolerance=±1%, Author="CERN DEM JLC", Component Type=Standard, CreateDate=03.12.2007, HelpURL=\\cern.ch\dfs\Applications\Altium\Datasheets\R1206_Phycomp_RC1206.pdf, LatestRevisionDate=24.06.2009, Manufacturer Part Number=R1206_8R2_1%_0.25W_200PPM, Mounted=Yes, Part Description="General Purpose Thick Film Chip Resistor", Part Number=R1206_8R2_1%_0.25W_200PPM, Pin Count=2, Sense=No, SMD=Yes, Socket=No, Status=Preferred, TC=±200ppm/°C
R17 R18 R19 R20 R23 R24 R25 R26 R43 R44 R45 R46 R47 R48 R51 R52 R53 R54 R55 R56 R57 R58 R59 R60: library part R0402_10K_1%_0.0625W_100PPM, "Resistor - 1%", Case=0402, Manufacturer=GENERIC, Manufacturer1 ComponentHeight=0.4mm, Manufacturer1 Example="YAGEO PHYCOMP", Manufacturer1 Part Number=232270671003L, Power=0.0625W, Tolerance=±1%, Author="CERN DEM JLC", Component Type=Standard, CreateDate=03.12.2007, HelpURL=\\cern.ch\dfs\Applications\Altium\Datasheets\R0402_Phycomp_RC0402.pdf, LatestRevisionDate=17.10.2012, Manufacturer Part Number=R0402_10K_1%_0.0625W_100PPM, Mounted=Yes, Part Description="General Purpose Thick Film Chip Resistor", Part Number=R0402_10K_1%_0.0625W_100PPM, Pin Count=2, Sense=No, SMD=Yes, Socket=No, Status="Not recommended", TC=±100ppm/°C
R21 R22 R27 R28: library part R1206_120R_1%_0.25W_100PPM, "Resistor - 1%", Case=1206, Manufacturer=GENERIC, Manufacturer1 ComponentHeight=0.65mm, Manufacturer1 Example="NIC COMPONENT", Manufacturer1 Part Number=NRC12F1200TRF, Power=0.25W, Tolerance=±1%, Author="CERN DEM JLC", Component Type=Standard, CreateDate=03.12.2007, HelpURL=\\cern.ch\dfs\Applications\Altium\Datasheets\R1206_NIC_NRC.pdf, LatestRevisionDate=13.03.2008, Manufacturer Part Number=R1206_120R_1%_0.25W_100PPM, Mounted=Yes, Part Description="General Purpose Thick Film Chip Resistor", Part Number=R1206_120R_1%_0.25W_100PPM, Pin Count=2, Sense=No, SMD=Yes, Socket=No, Status=Preferred, TC=±100ppm/°C
R29 R30 R31 R32 R33 R34 R35 R36: library part R4527_2R_1%_2W_50PPM, "Resistor - 1%", Case=4527, Manufacturer="VISHAY DALE", Manufacturer Part Number=WSC45272R000FEA, Power=2W, Tolerance=±1%, Author="CERN DEM JLC", ComponentHeight=4.49mm, Component Type=Standard, CreateDate=22.03.2011, HelpURL=\\cern.ch\dfs\Applications\Altium\Datasheets\R4527_VISHAY_WSC.pdf, LatestRevisionDate=22.03.2011, Mounted=Yes, Part Description="Surface Mount Precision Power Wirewound Resistor", Part Number=R4527_2R_1%_2W_50PPM, Pin Count=2, Sense=No, SMD=Yes, Socket=No, Status=None, TC=±50ppm/°C
R37 R38 R39 R40: library part R1206_62R_1%_0.25W_100PPM, "Resistor - 1%", Case=1206, Manufacturer=GENERIC, Manufacturer1 ComponentHeight=0.65mm, Manufacturer1 Example="NIC COMPONENT", Manufacturer1 Part Number=NRC12F62R0TRF, Power=0.25W, Tolerance=±1%, Author="CERN DEM JLC", Component Type=Standard, CreateDate=03.12.2007, HelpURL=\\cern.ch\dfs\Applications\Altium\Datasheets\R1206_NIC_NRC.pdf, LatestRevisionDate=13.03.2008, Manufacturer Part Number=R1206_62R_1%_0.25W_100PPM, Mounted=Yes, Part Description="General Purpose Thick Film Chip Resistor", Part Number=R1206_62R_1%_0.25W_100PPM, Pin Count=2, Sense=No, SMD=Yes, Socket=No, Status=Preferred, TC=±100ppm/°C
R41 R42 R49 R50: library part R2512_3R3_1%_1W_200PPM, "Resistor - 1%", Case=2512, Manufacturer=GENERIC, Manufacturer1 ComponentHeight=0.65mm, Manufacturer1 Example="YAGEO PHYCOMP", Manufacturer1 Part Number="232276363308L or RC2512FK-073R3L", Power=1W, Tolerance=±1%, Author="CERN DEM JLC", Component Type=Standard, CreateDate=21.07.2008, HelpURL=\\cern.ch\dfs\Applications\Altium\Datasheets\R2512_Phycomp_RC2512.pdf, LatestRevisionDate=17.10.2012, Manufacturer Part Number=R2512_3R3_1%_1W_200PPM, Mounted=Yes, Part Description="Thick Film Chip Resistor", Part Number=R2512_3R3_1%_1W_200PPM, Pin Count=2, Sense=No, SMD=Yes, Socket=No, Status=Preferred, TC=±200ppm/°C
SW1 SW2 SW3 SW4 SW5: library part SW_OMRON_A6S-2102-H, "2 Ways SPST DIP Switch", Manufacturer=OMRON, Manufacturer Part Number=A6S-2102-H, Author="CERN DEM JMW", ComponentHeight=3.8mm, Component Type=Standard, CreateDate=25.09.2008, Family=Switch, HelpURL=\\cern.ch\dfs\Applications\Altium\Datasheets\SW_OMRON_A6S-2102-H.pdf, LatestRevisionDate=25.09.2008, Mounted=Yes, PackageDescription="Pitch 2.54mm, Body 6.2x6.4mm, 2 Ways SPST Surface-Mounting DIP Switch, OMRON A6S-H", Part Description="2 Ways SPST DIP Switch, White Flat Actuator with Seal Tape, Contact Rating 25mA 24VDC", Part Number=SW_OMRON_A6S-2102-H, Pin Count=4, PressFit=No, Sense=No, SMD=Yes, Socket=No, Status=None
T1 T2 T3 T4 T5 T6 T7 T8: "P-CHANNEL MOSFET WITH ZENER DIODE", Case=SOT23-3, Manufacturer="INTERNATIONAL RECTIFIER", Author="CERN DEM JLC", Bonding=No, ComponentHeight=1.12mm, Component Type=Standard, CreateDate=29.08.2011, Device=IRLML6402PBF, HelpURL=\\cern.ch\dfs\Applications\Altium\Datasheets\IRLML6402PBF.pdf, LatestRevisionDate=29.08.2011, Manufacturer Part Number=IRLML6402PBF, Mounted=Yes, PackageDescription="SOT, 0.95mm, pitch; 3 pin,1.30mm W X 2.92mm L X 1.12mm H body, IPC Medium Density", Part Description="-20V -3.7A P-Channel HEXFET® Power MOSFET", Part Number=IRLML6402PBF, Pin Count=3, PressFit=No, Sense=No, SMD=Yes, Socket=No
T9 T10 T11 T12 T13 T14: "20V, 6.9A, N-Channel Enhancement Mode MOSFET", Case=SOT23-3, Manufacturer="DIODES INCORPORATED", Author="CERN DEM JLC", Bonding=No, ComponentHeight=1.15mm, Component Type=Standard, CreateDate=17.11.2014, Device=DMN2020LSN-7, HelpURL=\\cern.ch\dfs\Applications\Altium\Datasheets\DMN2020LSN-7.pdf, LatestRevisionDate=19.11.2014, Manufacturer Part Number=DMN2020LSN-7, Mounted=Yes, PackageDescription="SOT23, 0.95mm Pitch; 3 Pin, 1.6mm W X 3mm L X 1.4mm H Body, IPC Medium Density", Part Description="20V, 6.9A, N-Channel Enhancement Mode MOSFET", Part Number=DMN2020LSN-7, Pin Count=3, PressFit=No, Sense=No, SMD=Yes, Socket=No
TP6 TP7 TP8 TP9 TP10: library part SMD_PAD_1.27X1.27MM, Author="CERN DEM JLC", ComponentHeight=0mm, Component Type="Standard (No BOM)", CreateDate=12.01.2008, Family="Test Point", HelpURL=Undefined, LatestRevisionDate=12.01.2008, Mounted=No, PackageDescription="1.27mm x 1.27mm PCB Copper Area (SMD Test Point)", Part Description="1.27mm x 1.27mm PCB Copper Area (SMD Test Point)", Part Number=SMD_PAD_1.27X1.27MM, Pin Count=1, Sense=No, SMD=Yes, Socket=No, Status=None
TR1 TR2 TR3 TR4 TR5 TR6 TR7 TR8 TR11 TR21 TR22: library part XFMR_MINI-CIRCUITS_TCM2-43X+, "50 OHMS 10 to 4000 MHz RF Transformer", Manufacturer=MINI-CIRCUITS, Manufacturer Part Number=TCM2-43X+, Power=0.4W, Author="CERN DEM BC", ComponentHeight=4.06mm, Component Type=Standard, CreateDate=12.02.2016, HelpURL=\\cern.ch\dfs\Applications\Altium\Datasheets\XFMR_MINI-CIRCUITS_TCM2-43X+.pdf, LatestRevisionDate=12.02.2016, Mounted=Yes, Part Description="50 Ohms 10 to 4000MHz RF Transformer", Part Number=XFMR_MINI-CIRCUITS_TCM2-43X+, Pin Count=6, Sense=No, SMD=Yes, Socket=No, Status=None

## Via types
v1: diameter 19.68, hole 7.87, Top Layer to Bottom Layer, tented both sides, 436 vias
v2: diameter 15.75, hole 7.87, Top Layer to Bottom Layer, tented both sides, 372 vias
v3: diameter 23.62, hole 15.75, Top Layer to Bottom Layer, tented both sides, 64 vias
v4: diameter 50, hole 28, Top Layer to Bottom Layer, tented both sides, 13 vias
v5: diameter 15.75, hole 10, Top Layer to Bottom Layer, tented both sides, 4 vias

## Nets (pads, with @x,y where several pads share a name; then routed paths per layer and width w, separated by ;. In a path a pad name is that pad's centre, name@x,y a point inside that pad or via, vN(x,y) a via of type N, cw(c..) or ccw(c..) an arc to the next point about the centre after c; other vN are vias at no path point)
ADC0: J33.1 TR1.3 | length 331.7
  Bottom Layer w25.43: J33.1@-3425.2,275.59 -3094.59,275.59 ccw(c-3094.59,276.99) TR1.3@-3093.6,276
ADC0_IN_N: C5.1 J22.c2 TR1.4 | length 3222.6
  Bottom Layer w14: TR1.4@-2968.4,276 -2900,276 -2863,313 -1302.73,313 ccw(c-1302.73,369.73) -1262.62,329.62 cw(c-1225.47,292.47) -1225.47,345 -932.53,345 cw(c-932.53,266.47) -877,322 ccw(c-830.6,368.4) -830.6,302.78 -168.67,302.78 -156.45,290.56 179.14,290.56 J22.c2@203.74,315.16
ADC0_IN_P: C4.1 J22.c3 TR1.6 | length 3222.7
  Bottom Layer w14: TR1.6@-2968.4,376 -2902.4,376 -2865.4,339 -1302.73,339 ccw(c-1302.73,369.73) -1281,348 cw(c-1225.47,292.47) -1225.47,371 -932.53,371 cw(c-932.53,266.47) -858.62,340.38 ccw(c-830.6,368.4) -830.6,328.78 -169.11,328.78 -156.89,341 -156.45,340.56 176.1,340.56 200.7,365.16 J22.c3@203.74,365.16
ADC1: J36.1 TR2.3 | length 333
  Bottom Layer w25.43: J36.1@-3425.2,787.4 -3099.37,787.4 cw(c-3099.37,778.29) TR2.3@-3092.93,784.73
ADC1_IN_N: C7.1 J22.d8 TR2.4 | length 3212.6
  Top Layer w14: v2(-193,627) 134.58,627 v2(135.58,626)
  Bottom Layer w14: TR2.4@-2967.73,784.73 -2903.98,784.73 -2866.98,821.73 -2793.15,821.73 cw(c-2793.15,721.73) -2722.44,792.44 -2593.9,663.9 ccw(c-2504.81,753) -2504.81,627 v2(-193,627) ; v2(135.58,626) 139,626 149.84,615.16 J22.d8@153.74,615.16
ADC1_IN_P: C6.1 J22.d9 TR2.6 | length 3214.4
  Top Layer w14: v2(-193,653) 131,653 v2(132,654)
  Bottom Layer w14: TR2.6@-2967.73,884.73 -2903.45,884.73 -2866.45,847.73 -2793.15,847.73 cw(c-2793.15,721.73) -2704.06,810.83 -2575.52,682.29 ccw(c-2504.81,753) -2504.81,653 v2(-193,653) ; v2(132,654) 134.58,654 136.58,652 140.58,652 J22.d9@153.74,665.16
ADC2: J37.1 TR3.3 | length 339.8
  Bottom Layer w25.43: J37.1@-3425.2,1299.21 -3090.94,1299.21 ccw(c-3090.94,1306.24) TR3.3@-3085.97,1301.27